# Altium PCB HGT-300.PcbDoc (part 2 of 3)
Units mil, origin at the board's own origin, x right, y up, seen from the top; angles counter-clockwise.
Board outline 10039.37 x 5590.55 mil, 2 copper layers (Top Layer, Bottom Layer); 434 components, 232 nets, 1287 pads, 266 vias.
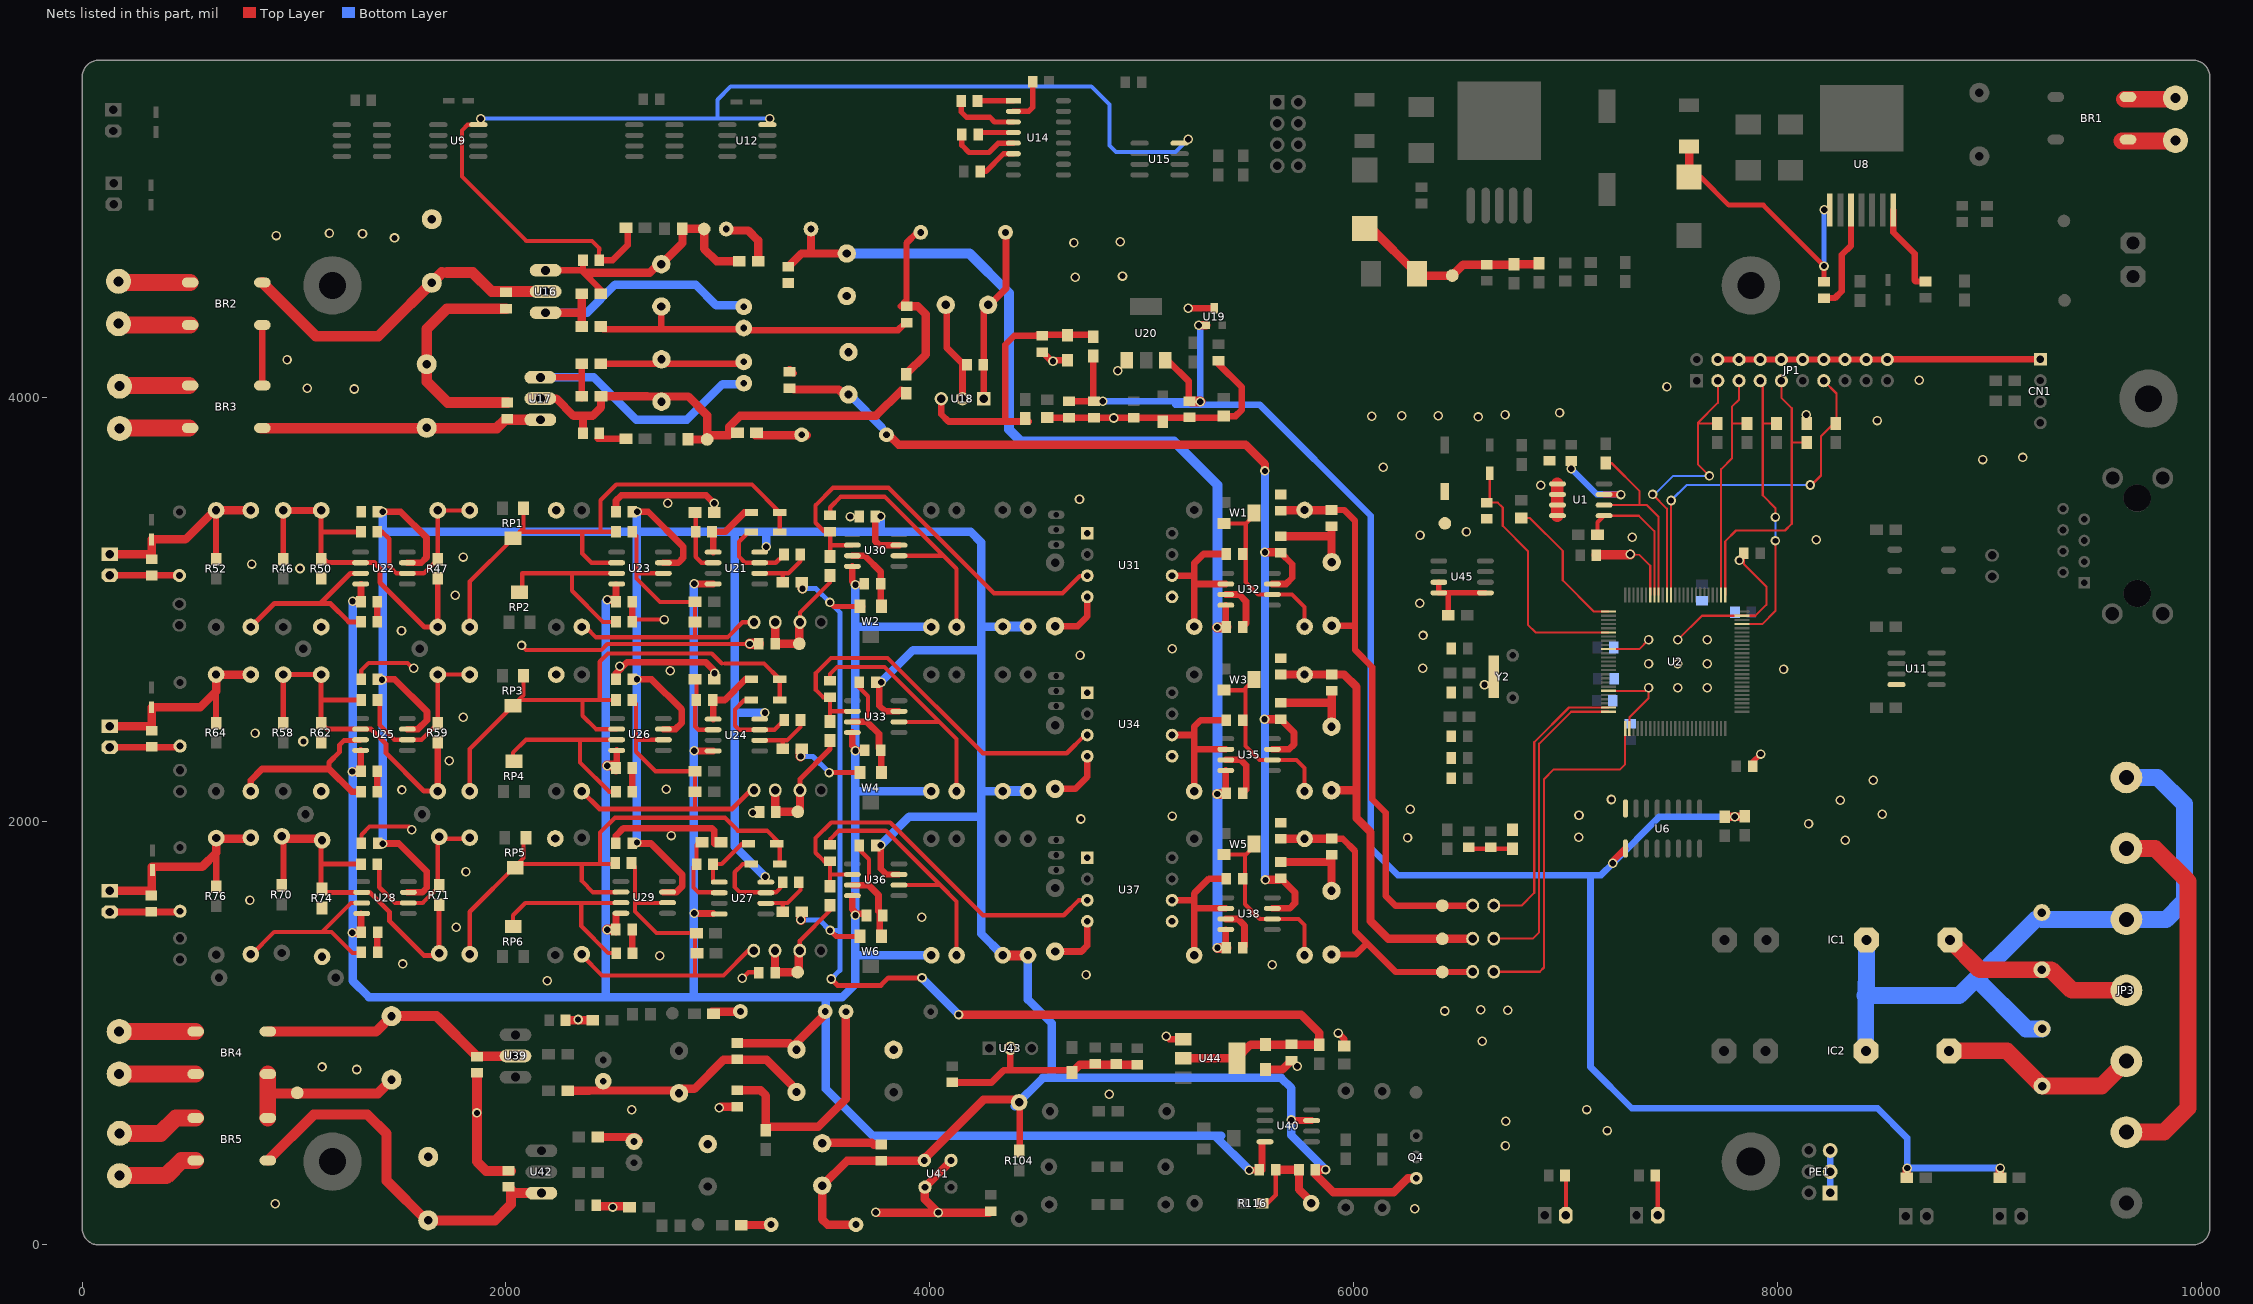
[diagram p2: the nets of this part, all layers, seen from the top]

## Via types
v1: diameter 45, hole 30, Top Layer to Bottom Layer, 224 vias
v2: diameter 45, hole 28, Top Layer to Bottom Layer, 35 vias
v3: diameter 50, hole 28, Top Layer to Bottom Layer, 6 vias
v4: diameter 50, hole 30, Top Layer to Bottom Layer, 1 vias

## Nets (pads, with @x,y where several pads share a name; then routed paths per layer and width w, separated by ;. In a path a pad name is that pad's centre, name@x,y a point inside that pad or via, vN(x,y) a via of type N, cw(c..) or ccw(c..) an arc to the next point about the centre after c; other vN are vias at no path point) (continued)
5V: C73.1 C74.1 C75.1 R17.1 R18.1 R19.1 R20.1 R42.2 U6.9 U19.1 U20.3 | length 9439.6
  Top Layer w30: v1(7223,1801) 7223,1811.51 U6.9@7282,1870.51
  Top Layer w31.5: C74.1@4656.48,3980.74 C75.1@4774.5,3980.74 ; C75.1@4771,3984.24 R42.2@4771,4195 ; U20.3@5111.1,4174.74 5121.26,4174.74 5222,4074 C73.1@5222,3990
  Top Layer w39.37: v1(5268,4340) U19.1@5304,4340 ; R17.1@7750,2021 v1(7798,2021) R18.1@7843,2021
  Top Layer w40: R20.1@8609.03,318.16 v1@8609.03,361.03 ; R19.1@9049,318.16 v1@9049,362
  Top Layer w47.24: C73.1@5233,3979 v1(5276,3979)
  Bottom Layer w31.5: v1(4815,3981) 5199,3981 ; 5159,3965 5556,3965 6080,3441 6080,1873 6208,1745 7167,1745 v1(7223,1801) 7443,2021 v1(7798,2021) ; 5200,3980 5199,3981 ; v1@5274,3981 5199,3981 ; v1(5276,3979) v1@5276,4334 ; 7117,1741 7117,840 7312,645 8471,645 8611,505 v1(8611,363) v1(9050,363)
+3.3V: C155.1 C156.1 R56.2 R68.2 R80.2 R119.1 U44.2 U44.4 W2.3 W4.3 W6.3 | length 6103.2
  Top Layer w23.62: v2(3524.94,2229.06) W4.3@3671,2229.06 ; v2(3528,3032) 3546.94,3013.06 W2.3@3671,3013.06 W2.3@3684,3013.06 ; v2(3529,1484) 3556.94,1456.06 W6.3@3671,1456.06 ; v1(3534,1255) 3565,1224 3566.31,1225.31 3768.31,1225.31 3803.81,1260.81 v2(3962.98,1260.81)
  Top Layer w39.37: v2(4136,1087) 5751,1087 5838,1000 R119.1@5838,945 5513.43,945 U44.4@5449.54,881.12 ; U44.2@5196,880.45 U44.4@5448.88,880.45
  Top Layer w47.24: v1(3390,2305) R68.2@3390,2336 ; v1(3391,1534) 3391,1567 R80.2@3396,1572 ; R56.2@3396,3127 3399,3124 v1(3399,3097)
  Bottom Layer w23.62: v1(3390,2305) 3449,2305 v2(3524.94,2229.06) 3572.94,2229.06 ; v1(3391,1534) 3479,1534 v2(3529,1484) 3572,1484 ; v1(3399,3097) 3463,3097 v2(3528,3032) 3575,2985 3575,1296 v1(3534,1255)
  Bottom Layer w39.37: v2@3970.5,1252.5 v2(4136,1087)
A_+12V: C80.2 C81.2 C91.2 C92.2 C102.2 C103.2 C112.1 C121.1 C130.1 C138.1 C151.1 C152.1 L8.2 Q4.C R83.2 R84.2 R90.2 R91.2 R97.2 R98.2 R104.2 U21.8 U22.7 U23.7 U24.8 U25.7 U26.7 U27.8 U28.7 U29.7 U30.7 U33.7 U36.7 U40.7 U41.3 | length 19777.7
  Top Layer w20: U41.3@3959,397 U41.3@3976,414
  Top Layer w30: v1(3768,1886) 3768,1775 3794.87,1748.13 U36.7@3854.24,1748.13 ; v1(3770,2656) 3762,2648 3762,2545 3788.87,2518.13 U33.7@3854.24,2518.13 ; R104.2@4424,454 R104.2@4424,688.77
  Top Layer w31.5: C91.2@1393.51,2669 1475,2669 1627,2517 1627,2476 1584.87,2433.87 U25.7@1534.24,2433.87 ; C80.2@1393.51,3460 v1(1419,3460) 1503,3460 1625,3338 1625,3244 1600.13,3219.13 U22.7@1534.24,3219.13 ; C102.2@1395,1894 v1(1418,1894) 1494,1894 1626,1762 1626,1685 1604.87,1663.87 U28.7@1534.24,1663.87 ; C103.2@2596,1894 2684,1894 2832,1746 2832,1694 2801.87,1663.87 U29.7@2742.24,1663.87 ; C92.2@2596,2669 v1(2618,2669) 2687,2669 2830,2526 2830,2464 2799.87,2433.87 U26.7@2742.24,2433.87 ; C81.2@2596,3460 v1(2619,3460) 2671,3460 2836,3295 2836,3242 2813.13,3219.13 U23.7@2742.24,3219.13 ; C112.1@3743,3437 3743,3320 3760.87,3302.13 U30.7@3854.24,3302.13 ; v1@5708.87,587.13 U40.7@5801.24,587.13
  Top Layer w40: L8.2@3651,96 3517,96 3492,121 C151.1@3492,280 3609,397 C152.1@3770,397 U41.3@3959,397 ; U41.3@3973.05,410.6 3976.26,410.86 U41.3@3978,411 ; U41.3@3976,414 U41.3@3978,411 ; R104.2@4424,688.77 4420.62,688.69 4251.6,684.6 U41.3@3978,411 ; C138.1@5819,355 5819,333 5904,248 6188,248 6256,316 Q4.C@6295,316 ; C138.1@5820,356 v1(5867,356)
  Top Layer w47.24: R97.2@4344,1367 R98.2@4463,1367
  Bottom Layer w40: v1@1419,1895 v1(1419,3460) ; 1420,3366 2618,3366 ; v2(2618,1899) v1(2618,2669) 2618,3366 ; v1@2618,3459 2618,3366 ; 3085,2512 v1(3222,2512) ; v1(3223,1737) 3080,1880 3080,3366 ; v1(3228,3294) 3228,3363 ; v1(3768,1886) 3903,2021 4242,2021 ; 3769,3369 v1(3769,3438) ; v1(3770,2656) 3921,2807 4242,2807 ; 4244.5,2141.5 R90.2@4344,2141.5 ; 4247,2918 R83.2@4344,2918 ; R97.2@4344,1367 4242,1469 4242,2021 ; R104.2@4400.5,655.5 4533.5,788.5 5657.5,788.5 5706,740 v1(5706,590) 5706,517 v1(5867,356) ; R98.2@4463,1367 4463,1158 4575.5,1045.5 4575.5,800 ; 2618,3366 3080,3366 ; 3080,3366 4192,3366 4242,3316 4242,2807 ; 4242,2021 4242,2807
  Bottom Layer w47.24: R90.2@4344,2141.5 R91.2@4463,2141.5 ; R83.2@4344,2918 R84.2@4463,2918
  other v1: 1415,2667
A_-12V: C84.2 C85.2 C95.2 C96.2 C107.2 C108.2 C116.1 C125.1 C134.1 C145.1 C153.2 C154.2 L9.2 R88.2 R95.2 R102.2 U21.4 U22.4 U23.4 U24.4 U25.4 U26.4 U27.4 U28.4 U29.4 U30.4 U33.4 U36.4 U40.4 | length 15665.6
  Top Layer w20: 3340,953 C154.2@3371,922
  Top Layer w30: U30.4@3634.24,3202.13 3634.24,3130.76 v1(3649,3116) 3690,3116 C116.1@3692,3118 ; v1(5507,353) C145.1@5567,353
  Top Layer w31.5: U25.4@1314.24,2333.87 1314.24,2237.76 C95.2@1316,2236 ; C107.2@1316,1477 U28.4@1316,1562.11 ; C84.2@1316,3035 U22.4@1316,3117.37 ; C108.2@2519,1477 U29.4@2519,1560.63 ; C85.2@2519,3035 U23.4@2519,3115.89 ; C96.2@2519.25,2236 2522.24,2238.99 U26.4@2522.24,2333.87 ; v1@2888.87,2331.13 U24.4@2977.24,2331.13 ; v1@2888.87,3119.13 U21.4@2977.24,3119.13 ; v1@2890.13,1563.87 U27.4@2977.24,1563.87 ; U36.4@3634.24,1648.13 3634.24,1583.76 3655,1563 C134.1@3692,1563 ; U33.4@3634.24,2418.13 3634.24,2355.76 3656,2334 C125.1@3692,2334 ; C145.1@5567,353 5567,472.89
  Top Layer w40: v1(1274,2234) C95.2@1310.48,2234 ; v1(1275,1474) C107.2@1313,1474 ; v1(1276,3037) C84.2@1314,3037 ; v1(2477,3044) C85.2@2510,3044 ; C153.2@3091,953 3340,953 ; C154.2@3363.12,947 L9.2@3505,1088.88
  Top Layer w47.24: v1(2477,1488) C108.2@2508,1488 ; v1(2477,2262) C96.2@2508,2262
  Bottom Layer w40: v1@1277,3038 v1(1276,3037) 1276,1247 1353,1170 2471,1170 ; v1@2471,3038 2471,1170 ; v1@2887,3119 2887,1170 ; 3508,736 3508,1170 ; 3515,731 3731,515 ; v1(3649,3116) v1(3649,2332) v1(3649,1555) 3649,1232 3587,1170 3508,1170 ; 3650.5,2141.5 R95.2@4007,2141.5 ; 3653,1367 R102.2@4007,1367 ; 3654,2916 R88.2@4007,2916 ; 3732,514 3731,515 ; 5348,512 v1(5507,353) ; 5374,515 3731,515 ; 2471,1170 2887,1170 ; 2887,1170 3508,1170
  other v1: 2888,1566 2888,2332 2888,3120
ADC1: J12.1 U2.24 | length 1343.8
  Top Layer w10: J12.1@6661,1602 6792,1602 6852,1662 6852,2372 7016,2536 U2.24@7202,2536
ADC2: J14.1 U2.25 | length 1505.9
  Top Layer w10: J14.1@6661,1445.5 6845.5,1445.5 6875,1475 6875,2365 7026.31,2516.31 U2.25@7202,2516.31
ADC3: J16.1 U2.26 | length 1715.7
  Top Layer w10: J16.1@6661,1289 6878,1289 6898,1309 6898,2198 6944,2244 7257,2244 7280.74,2267.74 U2.26@7280.74,2437.57
ADC+12V_1: C159.2 L10.1 R117.1 | length 1161.2
  Top Layer w20: R117.1@3226,541 R117.1@3242,557
  Top Layer w40: C159.2@3091,730 3201,730 3226,705 R117.1@3226,541 ; R117.1@3242,557 3473,557 3604,688 L10.1@3604,1101
ADC+12V_2: L8.1 R118.1 | length 141.3
  Top Layer w20: L8.1@3249,94 L8.1@3251,96
  Top Layer w39.37: R118.1@3110.56,94 L8.1@3249,94
ADC_-12.0V: L9.1 R103.1 | length 135
  Top Layer w39.37: R103.1@2972,1099.86 L9.1@3106.98,1099.86
AGND: BR4.+ BR5.- C80.1 C81.1 C82.1 C83.1 C84.1 C85.1 C86.1 C91.1 C92.1 C93.1 C94.1 C95.1 C96.1 C97.1 C102.1 C103.1 C105.1 C106.1 C107.1 C108.1 C109.1 C112.2 C115.2 C116.2 C121.2 C124.2 C125.2 C130.2 C133.2 C134.2 C138.2 C139.1 C140.1 C141.1 C142.1 C143.1 C144.2 C145.2 C146.2 C147.2 C148.2 C149.2 C150.2 C151.2 C152.2 C153.1 C154.1 C155.2 C156.2 C157.2 C158.2 C159.1 C160.2 C161.2 C162.2 C163.2 D10.A D11.A D12.A H5.2 H6.2 H7.2 LED9.2 P14.1 R49.1 R50.1 R57.1 R61.1 R62.1 R69.1 R73.1 R74.1 R109.1 R110.2 R112.2 R113.1 R116.1 R811.2 U30.3 U31.1 U31.4 U33.3 U34.1 U34.4 U36.3 U37.1 U37.4 U41.2 U41.4 U43.2 U44.1 W2.1 W4.1 W6.1 Y3.2 Y4.2 Y5.2 | length 13528.4
  Top Layer w20: 876.28,725 886.28,715 ; C91.1@1316.51,2669 1316.51,2710.51 1352,2746 1535,2746 1560,2721 v1(1564.75,2721) ; C102.1@1318,1894 1318,1936 1356,1974 1542,1974 v1(1556,1960) ; v2(2074,2829) 2095,2808 2450,2808 2478,2836 v1(3150,2836) ; C86.1@2596,2940 2607,2951 v1(2747,2951) ; v1(3006,648) v1@3011,653 ; v1(3115,1258) 3144,1287 C133.2@3192,1287 ; C130.2@3667,1885 3667,1866 3713,1820 3713,1719 ; C121.2@3667,2655 3667,2630 3708.15,2588.85 3708.15,2472.41 3703.87,2468.13 ; v1(3745,154.77) v1@3746.77,153 ; U41.2@4100,396 U41.2@4100,399 ; C144.2@4281,153 C144.2@4288,160 ; R116.1@5569,197 5593,197 5632,236 C145.2@5632,355
  Top Layer w30: v1(5115,985) 5129,971 U44.1@5196,971 ; v1(5927.79,999.99) 5956,971.78 LED9.2@5956,939.4
  Top Layer w31.5: H7.2@131,1571 Y5.2@458,1571 ; H6.2@131,2348 Y4.2@456,2348 ; H5.2@131,3160 Y3.2@458,3160 ; C106.1@1393,1378 C107.1@1393,1477 ; C94.1@1393,2139 C95.1@1393,2236 ; C83.1@1393,2940 C84.1@1393,3035 ; C103.1@2519,1894 2519,1931 2555,1967 2971,1967 2982,1956 2982,1894.48 ; C92.1@2519,2669 2519,2697 2572,2750 2942,2750 2982,2710 R61.1@2982,2669.48 ; C81.1@2519,3460 2519,3512 2544,3537 2945,3537 v1(2982,3500) R49.1@2982,3456.12 ; C109.1@2596,1378 C108.1@2596,1477 ; C97.1@2596,2139 C96.1@2596,2236 ; C86.1@2596,2940 C85.1@2596,3035 ; U36.3@3634.24,1698.13 3710.87,1698.13 3758,1651 C134.2@3758,1574 ; U33.3@3634.24,2468.13 3703.87,2468.13 3760,2412 3760,2343 C125.2@3769,2334 ; U30.3@3634.24,3252.13 3692.87,3252.13 3769,3176 W2.1@3769,3028.06 ; W6.1@3763,1455 C134.2@3763,1559.94 ; W4.1@3771,2229.06 C125.2@3771,2332 ; C160.2@4106,767 4291,767 4348,824 4661,824 C158.2@4671,814 ; 4380,831 U43.2@4380,928.01 ; D12.A@4591,1384.74 4714.74,1384.74 4742.94,1412.94 U37.4@4742.94,1527.04 ; D11.A@4591,2152 4686,2152 4742.94,2208.94 U34.4@4742.94,2306.04 ; D10.A@4591,2919.74 4696.74,2919.74 4742.94,2965.94 U31.4@4742.94,3058.04
  Top Layer w39.37: C142.1@2281.52,1059.86 R110.2@2410,1059.86 ; R109.1@2290.86,728 2392,728 2393,729 2835,729 2835,737 2889,737 3026,874 3230,874 3346,758 ; C150.2@2429.83,182.26 2552.05,182.26 ; R112.2@2432.91,509.74 2610.26,509.74 C148.2@2627,493 ; C151.2@3487,490 3495,482 3726,482 3736,472 ; C158.2@4671,814 4708,851 C163.2@4978,851 ; C156.2@5583,828 5664,828 C155.2@5706,870 ; C145.2@5644,355 C138.2@5742,355 5742,262 R116.1@5813,191
  Top Layer w40: v1@3011,653 C159.1@3091,653 ; v1@3746.77,153 v1(4039,153) ; U41.2@4100,396 U41.4@3977,273 3977,215 v1(4039,153) ; C144.2@4281,153 v1(4039,153)
  Top Layer w47.24: 886.28,715 1395,715 C139.1@1460,780 ; C140.1@1863,812 v1(1863,623) 1863,393 1906,350 C147.2@2024,350
  Top Layer w50: v1(3150,2836) 3151,2837 C115.2@3193,2837
  Top Layer w78.74: BR5.-@876.28,599.4 876.28,725 BR4.+@876.28,806.62
  other v1: 6288,171 2503,179 911,194 2594,638 4847,711 1296,828 1132,840 5733,843 2340,1064 2195,1247 4737,1275 1513,1326 2726.05,1365 1766,1500 3962,1547 792,1627 1811,1761 2780,1932 4713,2010 3165,2039 1509,2147 2756,2151 1733,2284 816,2414 1799,2490 2984,2698 2775,2710.29 2536.98,2731.56 4708.74,2782 1507,2898 1760,3065 1028,3192 800,3213 1798,3246 3624,3437 2763,3500 4706,3518
  other v3: 1044,2376.54
BAT: C10.1 D1.K U2.6 | length 1215.7
  Top Layer w10: C10.1@6628,3503 6680,3503 6703,3480 6703,3393 6821.5,3274.5 6821.5,2926.5 6857.67,2890.33 U2.6@7202,2890.33 ; C10.1@6642,3508 D1.K@6642,3641.14
CH1_+12.0V: C70.2 L7.1 R40.1 | length 824.8
  Top Layer w20: L7.1@3940,4778 L7.1@3957,4778
  Top Layer w30: 3862,4428.74 3890,4456.74 3890,4728 L7.1@3940,4778
  Top Layer w39.37: R40.1@3888,4109 3981,4202 3981,4391 3943,4429 C70.2@3891,4429
CH2_+12.0V: L5.1 R41.1 | length 244
  Top Layer w39.37: R41.1@3176,3821.22 L5.1@3419.98,3821.22
CH_-12.0V: L6.1 R33.1 | length 271.4
  Top Layer w20: L6.1@3039,4794 L6.1@3046,4787
  Top Layer w39.37: L6.1@3046,4787 3143,4787 3190,4740 R33.1@3190,4642
EEP-SCL: R5.1 U1.6 U2.92 | length 929.6
  Top Layer w10: U1.6@7181.24,3491.13 7347,3491.13 ; R5.1@7190,3690 7216,3690 7349,3557 7349,3493.13 7347,3491.13 ; U2.92@7438.22,3067.49 7438.22,3436.78 7383.87,3491.13 7347,3491.13
EEP-SDA: R6.1 U1.5 U2.93 | length 670.9
  Top Layer w10: U1.5@7181.24,3441.13 7344.87,3441.13 7418.54,3367.46 U2.93@7418.54,3067.49
  Top Layer w20: R6.1@7150,3351 7150,3409.89 U1.5@7181.24,3441.13
GND: BR2.+ BR3.- C1.1 C2.2 C3.2 C4.2 C5.2 C6.2 C7.2 C8.2 C10.2 C12.2 C13.2 C15.1 C16.1 C17.1 C18.1 C29.2 C30.2 C31.1 C32.1 C52.2 C53.2 C54.1 C55.1 C56.1 C57.1 C58.1 C59.1 C60.1 C61.2 C62.2 C63.2 C64.2 C65.2 C66.2 C67.2 C68.2 C69.2 C70.1 C71.2 C72.2 C73.2 C74.2 C75.2 C76.2 C114.1 C117.2 C118.2 C119.2 C123.1 C126.2 C127.2 C128.2 C132.1 C135.2 C136.2 C137.2 CN1.1 DW1.A DW2.A DW3.A H1.2 H2.2 JP1.4 JP1.6 JP1.8 JP1.10 JP1.12 JP1.14 JP1.16 JP1.18 JP1.20 L2.1 LED5.2 LED6.2 MCU_GND1.1 PE1.1 PE1.2 PE1.3 R7.2 R35.1 R36.2 R37.2 R38.1 R120.1 U1.1 U1.2 U1.3 U1.4 U2.10 U2.20 U2.27 U2.74 U2.94 U6.8 U9.4 U11.4 U12.4 U15.4 U18.2 U19.3 U20.1 U31.5 U32.3 U34.5 U35.3 U37.5 U38.3 U45.3 U45.4 U45.5 Y2.0 | length 17500.2
  Top Layer w10: U2.20@7202,2614.74 7376.74,2614.74 v1(7391,2629) 7391,2579.26 7300.43,2488.69 U2.27@7300.43,2437.57 ; U2.10@7202,2811.59 7347.59,2811.59 v1(7391,2855) ; v1(7305,3259) 7349,3255 7398.85,3205.15 U2.94@7398.85,3067.49 ; v1(7529.5,2855) 7643.57,2969.07 U2.74@7831.92,2969.07 7895.07,2969.07 7947,3021 7947,3107 7841,3213 C31.1@7841,3264
  Top Layer w20: U9.4@1869.49,5285.99 1818.99,5285.99 1792,5259 1792,5041 2096,4737 2406,4737 2440.53,4702.47 C57.1@2436.68,4647.01 ; R35.1@2447,4333.74 R35.1@2460,4320.74 ; R36.2@2565,4798 R36.2@2574,4789 ; C64.2@2733,4180 C64.2@2734,4179 ; C59.1@3332,4539 C59.1@3338,4533 ; C52.2@3605,4214 C52.2@3608,4217 ; C60.1@3608,4478 C60.1@3616,4470 ; H1.2@7001,140.74 C29.2@7001,323.74 ; H2.2@7434.33,140.74 C30.2@7434.33,316.24
  Top Layer w25: U45.3@6401.24,3127.13 U45.4@6401.24,3077.13 6446,3077.13 ; R120.1@6446,2971 6446,3077.13 ; U45.5@6621.24,3077.13 6446,3077.13 ; C32.1@7882,2259 7882,2278.07 v1(7920.49,2316.56)
  Top Layer w30: BR3.-@850.28,4055.4 BR2.+@850.28,4340.62 ; JP1.4@7718,4178 JP1.6@7818,4178 JP1.8@7918,4178 JP1.10@8018,4178 JP1.12@8118,4178 JP1.14@8218,4178 JP1.16@8318,4178 JP1.18@8418,4178 JP1.20@8518,4178 ; JP1.20@8519,4179 CN1.1@9240,4179
  Top Layer w31.5: C65.2@2433.53,3804.74 R38.1@2566.05,3804.74 R38.1@2568,3804.74 ; C57.1@2436.68,4647.01 2504.01,4647.01 2574,4717 R36.2@2574,4789 ; R37.2@2447.05,4158.74 C63.2@3124,4158.74 ; R35.1@2460,4320.74 2586,4320.74 2733,4320.74 ; C56.1@2733,4428 2733,4320.74 ; C53.2@3338,4132.74 C53.2@3357,4113.74 ; C70.1@3880,4347 3849.74,4316.74 3122,4316.74 3121,4320.74 2733,4320.74 ; C68.2@4075,4436 4079,4440 C68.2@4079,4425 ; C68.2@4080,4426 C68.2@4079,4425 ; U18.2@4154,3992.99 C71.2@4154,4157 ; C71.2@4154,4158 4154,4159 4079,4234 C68.2@4079,4425 ; C72.2@4531,4213 4569,4175 C69.2@4650,4175 ; LED5.2@4554.09,3903.74 C74.2@4656.48,3903.74 C75.2@4774.5,3903.74 C66.2@4962,3903.74 LED6.2@5380.43,3903.74 ; v1(5219,4420) U19.3@5342,4420 ; C76.2@5362,4173.01 5362,4157 5472,4047 5472,3941 5441.81,3910.81 LED6.2@5387.5,3910.81 ; U38.3@5396.24,1538.13 5453.87,1538.13 5485,1507 5485,1411 C137.2@5476,1402 ; U35.3@5396.24,2288.87 5467.13,2288.87 5493,2263 5493,2148.23 C128.2@5475.51,2130.74 ; U32.3@5396.24,3068.87 5460.13,3068.87 5492,3037 5492,2932.23 C119.2@5475.51,2915.74
  Top Layer w39.37: C123.1@5655.27,2558 5889,2558 ; C114.1@5655.27,3344 5889,3344 ; C132.1@5656,1807 5890,1807 ; DW3.A@5895,1670.94 C136.2@5895,1840 ; DW1.A@5895,3222.94 C117.2@5895,3391 ; DW2.A@5896,2446.44 C127.2@5896,2615
  Top Layer w47.24: C6.2@7145,3255 v1(7305,3259)
  Top Layer w50: C55.1@2000,4417.74 1721.74,4417.74 1626,4322 C61.2@1626,4156 1626,4074 1725,3975 C62.2@2005.36,3975
  Top Layer w59.06: U1.4@6961.24,3441.13 U1.3@6961.24,3491.13 U1.2@6961.24,3541.13 U1.1@6961.24,3591.13
  Bottom Layer w20: v1@1882,5315 2998,5315 ; v1(3245,5315) 2998,5315 ; v1(5220,5218) 5159,5157 4878,5157 4847,5188 4847,5381 4762,5466 3060,5466 2998,5404 2998,5315
  Bottom Layer w30: PE1.1@8248,246 PE1.2@8248,346 PE1.3@8248,446
  other v1: 6716,469 7196,540 6718,584 7099,639 6607,961 6430,1104 6727,1108 6599,1110 5615,1323 8320,1910 6254,1922 7061,1924 8146,1987 5144,2024 7063,2027 8493,2033 6266,2056 8296,2098.33 7216,2102 8451,2192 7529.5,2629 7668,2629 6617,2643 8028,2716 6325,2721 7391,2742 7529.5,2742 7668,2742 5144,2814 7668,2855 6327,2876 6312,3028 7820,3230 8182.84,3327 7315,3339 6313,3349 6532,3365.63 6882,3585 6140,3669 8968,3706 9156,3716 8470,3890 4868,3902 6588,3907 6085,3911 6226,3913 6399,3913 6714,3917 8136,3917 6971,3927 1284,4039 1063,4043 7478,4049 8669,4081 4886,4125 4581,4170 967,4177 4685.98,4567 4909,4572 4680,4729 4899,4734 1474,4751.57 916,4763 1323,4771 1167,4774 1881,5314
JTCK: JP1.9 R7.1 U2.76 | length 1365.1
  Top Layer w10: U2.76@7753.18,3067.49 7753.18,3320.18 7804,3371 8035,3371 8067,3403 8067,3948 8018,3997 JP1.9@8018,4078 ; 8069.05,3786.05 R7.1@8138,3786.05
JTDI: JP1.5 R3.1 U2.77 | length 1115
  Top Layer w10: U2.77@7733.5,3067.49 7733.5,3660.5 7784,3711 7784,3955 7818,3989 JP1.5@7818,4078 ; 7786,3876 R3.1@7855.5,3876
JTDO: JP1.13 R1.1 U2.89 | length 1704
  Top Layer w10: U2.89@7497.28,3067.49 v2(7497.28,3512.72) ; v2(8154,3586) 8160,3586 8205,3631 8205,3816 8278,3889 8278,4018 JP1.13@8218,4078
  Bottom Layer w10: v2(7497.28,3512.72) 7570.55,3586 v2(8154,3586)
JTMS: JP1.7 R2.1 U2.72 | length 1400.7
  Top Layer w10: U2.72@7831.92,2929.7 7927.7,2929.7 7990,2992 ; JP1.7@7918,4078 7930,4066 7930,3537 7990,3477 v2(7990,3434) ; 7933,3876 R2.1@7995,3876 ; 7990,3031 7990,2992 ; v2(7990,3323) 7990,2992
  Bottom Layer w10: v2(7990,3323) v2(7990,3434)
JTRST: JP1.3 R4.1 U2.90 | length 1409.9
  Top Layer w10: v2(7410,3542) 7477.59,3474.41 U2.90@7477.59,3067.49 ; v2@7677.18,3629 v2(7678,3629) 7625,3682 7625,3881 ; R4.1@7716,3876 7630,3876 7625,3881 ; JP1.3@7718,4078 7718,3974 7625,3881
  Bottom Layer w10: v2(7410,3542) 7421,3542 7508,3629 v2(7678,3629)
L1_220V: IC2.1 JP3.3 RV2.2 | length 953.6
  Top Layer w78.74: IC2.1@8809.72,915.78 9082.22,915.78 RV2.2@9248,750 9528.65,750 JP3.3@9646,867.35
L2_220V: IC1.1 JP3.4 RV1.2 | length 931.8
  Top Layer w80: IC1.1@8812.72,1439.78 8953.76,1298.74 RV1.2@9247,1298.74 9291.26,1298.74 9388,1202 JP3.4@9646,1202
L_INPUT: IC1.2 IC2.2 JP3.5 JP3.7 RV1.1 RV2.1 | length 3442
  Bottom Layer w80: 8413,1177 8416.02,1177 ; IC2.2@8419.02,918.78 IC2.2@8416.02,915.78 8416.02,1177 ; IC1.2@8419.02,1439.78 8419.02,1239 ; 8938,1255 9173,1020 RV2.1@9248,1020 ; 9216.65,1536.65 8857,1177 8419.02,1177 ; RV1.1@9247,1536.65 JP3.5@9646,1536.65 9833.65,1536.65 9919,1622 9919,2080 9793.06,2205.94 JP3.7@9646,2205.94 ; 8416.02,1177 8419.02,1177 ; 8416.02,1177 8416.02,1236 8419.02,1239 ; 8419.02,1177 8419.02,1239
MCU_+12.0V: C52.1 C53.1 C114.2 C123.2 C132.2 L5.2 U32.7 U35.7 U38.7 | length 5289.4
  Top Layer w31.5: U38.7@5616.24,1588.13 5698.13,1588.13 5723,1613 5723,1663 C132.2@5656,1730 ; U35.7@5616.24,2338.87 5694.87,2338.87 5718,2362 5718,2418.27 C123.2@5655.27,2481 ; U32.7@5616.24,3118.87 5680.87,3118.87 5710,3148 5710,3212.27 C114.2@5655.27,3267
  Top Layer w39.37: C53.1@3357,4036.74 3570,4036.74 C52.1@3604,4002.74 ; L5.2@3805,3834 3805,3823 3852,3776 5489,3776 5581,3684 v2(5581,3653) ; v1(5579,2480) C123.2@5654.27,2480 ; v1(5581,3268) C114.2@5654.27,3268 ; v2(5583,1723) 5649,1723 C132.2@5656,1730
  Bottom Layer w39.37: C52.1@3604,4002.74 3629.26,4002.74 3774.5,3857.5 ; v2(5581,3653) v1(5581,3268) 5581,1723 v2(5583,1723)
MCU_-12.0V: C59.2 C60.2 C119.1 C128.1 C137.1 L6.2 U32.4 U35.4 U38.4 | length 5609.6
  Top Layer w20: 3437,4678 3439,4680
  Top Layer w31.5: C137.1@5396.24,1404.76 U38.4@5396.24,1488.13 ; C128.1@5396.24,2133.01 U35.4@5396.24,2238.87 ; C119.1@5396.24,2914.53 U32.4@5396.24,3018.87
  Top Layer w39.37: C59.2@3332,4616 3394,4678 3437,4678 C60.2@3608,4678 ; 3439,4680 L6.2@3439,4794
  Top Layer w47.24: v1(5356,2128) 5391.22,2128 C128.1@5396.24,2133.01 ; v1(5356,2914) 5396.77,2914 C119.1@5398.51,2915.74 ; v1(5357,1402) C137.1@5399,1402
  Bottom Layer w47.24: C60.2@3601,4679 4186,4679 4373,4492 4373,3848 4430,3791 5152,3791 5357,3586 v1(5357,1402)
MCU_LED: MCU_LED1.2 U2.1 | length 675
  Top Layer w10: MCU_LED1.2@6791,3429.6 6831.4,3429.6 6986,3275 6986,3136 7133.25,2988.75 U2.1@7202,2988.75
N_INPUT: JP3.2 JP3.6 | length 1761.3
  Top Layer w80: JP3.2@9646,532.71 9822.71,532.71 9936,646 9936,1716 9780.71,1871.29 JP3.6@9646,1871.29
NetAC1_1: AC1.1 BR1.AC1 | length 244.3
  Top Layer w78.74: BR1.AC1@9623.68,5209 AC1.1@9868,5209
NetAC1_2: AC1.2 BR1.AC2 | length 230.9
  Top Layer w20: BR1.AC2@9624.27,5418.38 BR1.AC2@9636.66,5406
  Top Layer w78.74: BR1.AC2@9636.66,5406 AC1.2@9850,5406
NetAC2_1: AC2.1 BR2.AC1 | length 332.1
  Top Layer w80: AC2.1@177.6,4541.4 BR2.AC1@509.72,4541.4
NetAC2_2: AC2.2 BR2.AC2 | length 331.3
  Top Layer w80: AC2.2@178.38,4340.62 BR2.AC2@509.72,4340.62
NetAC3_1: AC3.1 BR3.AC1 | length 323.3
  Top Layer w80: AC3.1@180.4,4055.4 BR3.AC1@503.72,4055.4
NetAC3_2: AC3.2 BR3.AC2 | length 324.1
  Top Layer w80: AC3.2@179.62,3854.62 BR3.AC2@503.72,3854.62
NetAC4_1: AC4.1 BR4.AC1 | length 338.3
  Top Layer w80: AC4.1@197.4,1007.4 BR4.AC1@535.72,1007.4
NetAC4_2: AC4.2 BR4.AC2 | length 339.1
  Top Layer w80: AC4.2@196.62,806.62 BR4.AC2@535.72,806.62
NetAC5_1: AC5.1 BR5.AC1 | length 388.7
  Top Layer w80: AC5.1@177,527 370,527 442.4,599.4 BR5.AC1@535.72,599.4
NetAC5_2: AC5.2 BR5.AC2 | length 388.4
  Top Layer w80: AC5.2@177,327 397,327 468.62,398.62 BR5.AC2@535.72,398.62
NetBR2_-: BR2.- C54.2 C55.2 U16.2 | length 1579.3
  Top Layer w50: BR2.-@850.28,4541.4 1103.68,4288 1397,4288 1697.74,4588.74 ; 1721.99,4588.74 1842.26,4588.74 1932.26,4498.74 U16.2@2186.99,4498.74
NetBR3_+: BR3.+ C61.1 C62.1 U17.3 | length 1333.9
  Top Layer w50: BR3.+@844.28,3854.62 BR3.+@850.28,3854.62 1956.88,3854.62 1996,3893.74 U17.3@2162.01,3893.74
NetBR4_-: BR4.- C139.2 C140.2 U39.2 | length 1270
  Top Layer w47.24: BR4.-@876.28,1007.4 1387.4,1007.4 C139.2@1460,1080 1673,1080 ; 1678.5,1074.5 1861,892 1863.05,891.97 2042.25,889 U39.2@2044.99,891.74
NetBR5_+: BR5.+ C146.1 C147.1 U42.3 | length 1840.8
  Top Layer w20: C147.1@2012,274 2024,262 2041.26,244.74
  Top Layer w47.24: BR5.+@876.28,398.62 1092.66,615 1347,615 1437,525 1437,303 C146.1@1629,111 ; C146.1@1633,116 1948,116 2024,192 C147.1@2024,262 ; 2041.26,244.74 U42.3@2166.99,244.74
NetC9_2: C9.2 U1.7 | length 399.9
  Top Layer w30: v1@7027,3664 C9.2@7027,3699 ; U1.7@7181.24,3541.13 v1@7261,3541.13
  Bottom Layer w30: v1(7026,3663) 7147,3542 v1@7261,3542
  other v1: 7261,3541
NetC19_1: C19.1 C20.1 L2.2 | length 209.7
  Top Layer w20: C20.1@6542,1876 6548.53,1869.47 L2.2@6749,1869.47
NetC35_1: C35.1 U8.3 | length 498.8
  Top Layer w30: C35.1@8219,4468 8271,4468 8303,4500 8303,4672 8346,4715 U8.3@8346,4883.74
NetC35_2: C35.2 D3.2 L4.1 U8.1 | length 1289.8
  Top Layer w23.62: L4.1@7582,5039.8 7636.2,5039.8 7770,4906 7933,4906 v1@8216,4623 ; C35.2@8219,4545 v1(8219,4619)
  Top Layer w40: L4.1@7582,5039.8 D3.2@7582,5182.56
  Bottom Layer w23.62: v1(8219,4619) 8219,4884 v1(8220,4885)
NetC41_1: C41.1 C42.2 L3.2 P3.1 R24.2 R25.1 | length 938.5
  Top Layer w40: L3.2@6052,4797.2 6082.8,4797.2 C41.1@6298,4582 6306,4574 P3.1@6465,4574 6517,4626 C42.2@6628,4626 6754,4626 R24.2@6756,4628 6870,4628 R25.1@6874,4632
NetC44_1: C44.1 U8.7 | length 427.6
  Top Layer w20: 8647,4551 8652,4546
  Top Layer w30: U8.7@8546,4883.74 8546,4778 8647,4677 8647,4551 ; 8652,4546 C44.1@8698,4546
NetC47_2: C47.2 U14.2 | length 219.9
  Top Layer w25: U14.2@4394,5349 4466,5349 4485,5368 C47.2@4485,5489
NetC48_1: C48.1 U14.1 | length 168
  Top Layer w25: C48.1@4226,5399 U14.1@4394,5399
NetC48_2: C48.2 U14.3 | length 317.5
  Top Layer w25: C48.2@4148,5398 4148,5346 4173,5321 4283,5321 4305,5299 U14.3@4394,5299
NetC49_1: C49.1 U14.4 | length 169.7
  Top Layer w25: C49.1@4228,5240 4237,5249 U14.4@4394,5249
NetC49_2: C49.2 U14.5 | length 326.3
  Top Layer w25: C49.2@4151,5240 4151,5189 4185,5155 4279,5155 4323,5199 U14.5@4394,5199
NetC50_1: C50.1 U14.6 | length 191.8
  Top Layer w25: C50.1@4237,5065 4264,5065 4348,5149 U14.6@4394,5149
NetC56_2: C56.2 C57.2 LED3.2 R33.2 R34.1 U16.3 VO1.1 | length 1335.1
  Top Layer w20: 2363.53,4601.27 2376.79,4588 ; LED3.2@2832,4795 LED3.2@2833,4794 ; VO1.1@2934,4795 VO1.1@2935,4794
  Top Layer w30: U16.3@2186.99,4598.74 2356.26,4598.74 2447,4508 R34.1@2447,4488.74 ; 2363.53,4601.27 C57.2@2363.53,4646.74
  Top Layer w39.37: 2376.79,4588 2679,4588 C56.2@2719,4628 ; C56.2@2733,4628 2833,4728 LED3.2@2833,4794 ; LED3.2@2832,4795 VO1.1@2934,4795 ; VO1.1@2935,4794 2935,4700 2993,4642 R33.2@3100,4642
NetC58_2: C58.2 R34.2 R35.2 U16.1 | length 1352.7
  Top Layer w39.37: U16.1@2186.99,4398.74 2351.74,4398.74 ; R35.2@2357,4333.74 R34.2@2357,4488.74
  Bottom Layer w20: C58.2@3115,4433.74 C58.2@3122,4426.74
  Bottom Layer w39.37: U16.1@2186.99,4398.74 2382.74,4398.74 2515,4531 2894.74,4531 2992,4433.74 C58.2@3115,4433.74
NetC63_1: C63.1 R37.1 R39.2 U17.1 | length 1473.1
  Top Layer w30: U17.1@2162.01,4093.74 2357.05,4093.74 ; R39.2@2357.05,3994.95 2357.05,4093.74 ; R37.1@2357.05,4158.74 2357.05,4093.74
  Bottom Layer w20: C63.1@3117.26,4062 C63.1@3122,4066.74
  Bottom Layer w39.37: U17.1@2162.01,4093.74 2414.26,4093.74 2614,3894 2854,3894 3022,4062 C63.1@3117.26,4062
NetC64_1: C64.1 C65.1 LED4.1 R39.1 R40.2 R41.2 U17.2 VO2.1 | length 2213
  Top Layer w20: LED4.1@2859.22,3802.26 LED4.1@2860.48,3801
  Top Layer w39.37: U17.2@2162.01,3993.74 2237.26,3993.74 2319,3912 2408,3912 2448,3952 R39.1@2448,4004 2666.74,4004 ; C65.1@2363.53,3830.74 2363.53,3910.47 ; 2667,4003.74 2860.26,4003.74 2949,3915 2949,3821 3052,3821 3052,3860 3104,3912 3745.79,3912 ; LED4.1@2860.48,3801 VO2.1@2949,3801 ; 3746.79,3913 R40.2@3864,4030.21
NetC68_1: C68.1 C71.1 L7.2 U18.1 | length 825.5
  Top Layer w31.5: U18.1@4254,3992.99 4254,4407.74 4359,4512.74 L7.2@4359,4775
NetC69_1: C69.1 C72.1 R42.1 R44.2 U18.3 | length 1318.6
  Top Layer w31.5: U18.3@4054,3992.99 4054,3920 4088.79,3885.21 4356,3885.21 ; 4356,4244 4356,3885.21 ; 4356,4248 4398,4290 C72.1@4531,4290 ; R44.2@4466.52,3885.21 4356,3885.21 ; C72.1@4507.51,4295.51 R42.1@4775,4295.51
NetC77_1: C77.1 D4.K U21.1 | length 314.9
  Top Layer w31.5: C77.1@2972.14,3365 3033,3365 3125,3457 D4.K@3158.14,3457 ; U21.1@2977.24,3269.13 C77.1@2977.24,3359.9
NetC77_2: C77.2 R49.2 U21.2 | length 299.7
  Top Layer w20: R49.2@2895.14,3452.97 C77.2@2895.14,3365 2895.14,3246.86 2922.87,3219.13 U21.2@2977.24,3219.13
NetC78_1: C78.1 R47.1 R53.2 U22.6 | length 871
  Top Layer w20: C78.1@1408,3350.51 1393.51,3365 1416,3365 1449,3332 1449,3203 1482.87,3169.13 U22.6@1534.24,3169.13 1612.13,3169.13 1678,3235 R47.1@1678,3466 R53.2@1829,3466
NetC78_2: C78.2 R46.1 R47.2 R50.2 U22.2 | length 1770.7
  Top Layer w23.62: R46.1@949,3236 R46.1@949,3466 ; R50.2@1128,3466 1128,3249 1157.87,3219.13 U22.2@1314.24,3219.13 1378.87,3219.13 1405,3193 1405,3126 1615,2916 R47.2@1678,2916 R47.2@1678,3146 ; 1129,3365 C78.2@1316,3365 C78.2@1316.51,3365
  Top Layer w31.5: R46.1@949,3466 R50.2@1128,3466
NetC79_1: C79.1 J7.1 R48.1 R51.2 R55.1 U23.6 | length 1697.7
  Top Layer w20: R48.1@2358,2916 2376,2916 2425,2867 3045,2867 3116.5,2938.5 J7.1@3170,2938.5 ; C79.1@2596,3365 2616,3345 2616,3145 2726.52,3034.48 R51.2@2892,3034.48 R55.1@2892,2939.58 ; 2621,3169.13 U23.6@2742.24,3169.13 ; 2892.05,2869.95 R55.1@2892.05,2939.52
NetC79_2: C79.2 D4.A D5.K R53.1 RP1.1 RP1.2 U23.2 | length 2590.6
  Top Layer w20: R53.1@1829,2916 1829,3130.32 RP1.2@2033,3334.32 RP1.2@2063.68,3365 ; 2083,3367 2083,3384.32 ; RP1.1@2083,3476.06 2083,3384.32 ; 2360,3363 2360,3263 2403.87,3219.13 U23.2@2522.24,3219.13 ; C79.2@2519,3365 2446,3365 ; D5.K@3292,3364.64 D4.A@3292,3457 3161,3588 2520,3588 2446,3514 2446,3365 ; RP1.2@2063.68,3365 2083,3384.32 ; RP1.2@2063.68,3365 2446,3365
NetC82_2: C82.2 H5.1 R52.1 R54.2 TVS16.1 | length 1037.2
  Top Layer w30: R52.1@632,3236 R52.1@632,3466
  Top Layer w40: H5.1@131,3260 320.5,3260 ; C82.2@327.5,3236.5 TVS16.1@327.5,3329 487,3329 624,3466 R52.1@632,3466 R54.2@796,3466
NetC83_2: C83.2 R54.1 U22.3 | length 848.3
  Top Layer w23.62: R54.1@796,2916 907,3027 1171,3027 1258,2940 C83.2@1316,2940 ; 1126,3029 1266.13,3169.13 U22.3@1314.24,3169.13
NetC86_2: C86.2 RP2.2 U23.3 | length 919.2
  Top Layer w20: RP2.2@2049,3074.68 2057.5,3066.18 2077.13,3085.81 2077.13,3169.13 2311,3169.13 ; C86.2@2519,2940 2458,2940 2311,3087 2311,3169.13 ; U23.3@2522.24,3169.13 2311,3169.13
NetC87_1: C87.1 D5.A U21.7 | length 389.2
  Top Layer w20: D5.A@3158,3364.5 3145.5,3364.5 3099,3318 3099,3248.13 3128,3219.13 U21.7@3197.24,3219.13 3273.13,3219.13 C87.1@3312,3258
NetC87_2: C87.2 R56.1 U21.6 | length 281.4
  Top Layer w20: U21.6@3197.24,3169.13 3332.13,3169.13 3389,3226 C87.2@3389,3258 ; R56.1@3306,3127 3306,3161.13
NetC88_1: C88.1 D6.K U24.1 | length 312
  Top Layer w31.5: C88.1@2975.53,2571.74 3032.74,2571.74 3130.5,2669.5 D6.K@3158.14,2669.5 ; U24.1@2977.24,2481.13 C88.1@2977.24,2570.03
NetC88_2: C88.2 R61.2 U24.2 | length 309.1
  Top Layer w20: R61.2@2898.53,2662.95 C88.2@2898.53,2571.74 2893,2566.21 2893,2447 2908.87,2431.13 U24.2@2977.24,2431.13
NetC89_1: C89.1 R59.1 R65.2 U25.6 | length 839.8
  Top Layer w20: C89.1@1393.51,2571.74 1404,2561.25 1404,2453 1473.13,2383.87 U25.6@1534.24,2383.87 1601.87,2383.87 1678,2460 R59.1@1678,2691.5 R65.2@1829,2691.5
NetC89_2: C89.2 R58.1 R59.2 R62.2 U25.2 | length 1766.8
  Top Layer w23.62: R58.1@949,2461.5 R58.1@949,2691.5 R62.2@1128,2691.5 1128,2568 ; C89.2@1316.51,2571.74 1131.74,2571.74 1128,2568 ; R59.2@1678,2141.5 1613.5,2141.5 1433,2322 1433,2365 1364.13,2433.87 U25.2@1314.24,2433.87 1155.63,2433.87 R62.2@1128,2461.5 1128,2568
  Top Layer w30: R59.2@1678,2141.5 R59.2@1678,2371.5
NetC90_1: C90.1 J9.1 R60.1 R63.2 R67.1 U26.6 | length 1753.7
  Top Layer w20: C90.1@2596,2571.74 2614,2553.74 2614,2327 2705.52,2235.48 R63.2@2892,2235.48 ; 2615.87,2383.87 U26.6@2742.24,2383.87 ; 2892.05,2059.05 R67.1@2892.05,2138.52 R63.2@2892.05,2235.42
  Top Layer w23.62: R60.1@2358,2141.5 2441.5,2058 3067,2058 3154.5,2145.5 J9.1@3170,2145.5
NetC90_2: C90.2 D6.A D7.K R65.1 RP3.1 RP3.2 U26.2 | length 2548.3
  Top Layer w20: R65.1@1829,2141.5 1829,2340.32 RP3.2@2033,2544.32 RP3.2@2060.42,2571.74 ; RP3.1@2083,2686.06 2083,2594.32 RP3.2@2060.42,2571.74 ; 2442,2573.74 2442,2752 2481,2791 2971,2791 3018,2744 ; C90.2@2519,2571.74 2361,2571.74 ; U26.2@2522.24,2433.87 2424.13,2433.87 2361,2497 2361,2571.74 ; 3033,2744 3217.5,2744 D6.A@3292,2669.5 D7.K@3292,2571.38 ; RP3.2@2060.42,2571.74 2361,2571.74
NetC93_2: C93.2 H6.1 R64.1 R66.2 TVS17.1 | length 1033.7
  Top Layer w30: R64.1@632,2461.5 632,2612
  Top Layer w40: H6.1@131,2448 C93.2@325,2448 ; TVS17.1@327.5,2538 558,2538 632,2612 R64.1@632,2691.5 R66.2@796,2691.5 ; C93.2@328,2427 TVS17.1@328,2537.5
NetC94_2: C94.2 R66.1 U25.3 | length 876
  Top Layer w23.62: 1165,2246 1165,2277 1215,2327 1215,2360 1234.87,2379.87 U25.3@1310.24,2379.87
  Top Layer w31.5: R66.1@796,2141.5 796,2193 849,2246 1165,2246 1272,2139 C94.2@1316,2139
NetC97_2: C97.2 RP4.2 U26.3 | length 887.8
  Top Layer w20: RP4.2@2033,2283.68 2033,2323 2093.87,2383.87 2349,2383.87 ; C97.2@2519,2139 2487,2139 2349,2277 2349,2383.87 ; U26.3@2522.24,2383.87 2349,2383.87
NetC98_1: C98.1 D7.A U24.7 | length 432.6
  Top Layer w20: D7.A@3158,2571.24 3124.24,2571.24 3080,2527 3080,2450 3098.87,2431.13 U24.7@3197.24,2431.13 3266.6,2431.13 C98.1@3312.47,2477
NetC98_2: C98.2 R68.1 U24.6 | length 280.1
  Top Layer w20: U24.6@3197.24,2381.13 3326.13,2381.13 3389.47,2444.47 C98.2@3389.47,2477 ; R68.1@3306,2342 3306,2371.13
NetC99_1: C99.1 D8.K U27.1 | length 305
  Top Layer w20: C99.1@2975.53,1798 3018,1798 3114.5,1894.5 D8.K@3158.14,1894.5 ; U27.1@2977.24,1713.87 C99.1@2977.24,1796.29
NetC99_2: C99.2 R73.2 U27.2 | length 308.4
  Top Layer w20: R73.2@2898.53,1887.95 2898.53,1798 2885,1784.47 2885,1687 2908.13,1663.87 U27.2@2977.24,1663.87
NetC100_1: C100.1 R71.1 R77.2 U28.6 | length 833.3
  Top Layer w20: C100.1@1392,1798 1402,1788 1402,1688 1476.13,1613.87 1606.87,1613.87 1678,1685 1678,1917 R77.2@1829,1917
NetC100_2: C100.2 R70.1 R71.2 R74.2 U28.2 | length 1763.9
  Top Layer w23.62: R74.2@1128,1917 1128,1684 1148.13,1663.87 1357.13,1663.87 1451,1570 1451,1528 1612,1367 R71.2@1678,1367 ; 1129,1798 C100.2@1315,1798 ; R71.2@1685,1376 R71.2@1685,1606
  Top Layer w30: R70.1@950,1680 R70.1@950,1910
  Top Layer w39.37: R70.1@949,1917 R74.2@1128,1917
NetC101_1: C101.1 J11.1 R72.1 R75.2 R79.1 U29.6 | length 1775.7
  Top Layer w20: R72.1@2358,1367 2453,1272 3026,1272 3143,1389 J11.1@3169,1389 ; C101.1@2596,1798 2609,1785 2609,1573 2710.14,1471.86 2892,1471.86 R79.1@2892,1377.58 ; 2615,1613.87 U29.6@2742.24,1613.87 ; 2892.05,1277.44 R79.1@2892.05,1377.52
NetC101_2: C101.2 D8.A D9.K R77.1 RP5.1 RP5.2 U29.2 | length 2556
  Top Layer w20: R77.1@1829,1367 R77.1@1829,1372 1829,1572.32 RP5.2@2054.68,1798 ; RP5.1@2083,1918.06 2083,1826.32 RP5.2@2054.68,1798 ; 2358,1797 2358,1717 2411.13,1663.87 U29.2@2522.24,1663.87 ; 2444,1801 2444,1946 2514,2016 3033,2016 3094,1955 3231.5,1955 3292,1894.5 D9.K@3292,1797.64 ; C101.2@2519,1798 RP5.2@2054.68,1798
NetC105_2: C105.2 H7.1 R76.1 R78.2 TVS18.1 | length 1031.9
  Top Layer w30: R76.1@633,1690 633,1849
  Top Layer w40: H7.1@131,1671 C105.2@307,1671 ; TVS18.1@327.5,1785 567,1785 632,1850 632,1917 R78.2@796,1917 ; C105.2@328,1650 TVS18.1@328,1784.5
NetC106_2: C106.2 R78.1 U28.3 | length 845.5
  Top Layer w20: R78.1@796,1367 906,1477 1132,1477 ; U28.3@1314.24,1613.87 1268.87,1613.87 1132,1477 ; C106.2@1316,1378 1276,1378 1177,1477 1132,1477
NetC109_2: C109.2 RP6.2 U29.3 | length 885.2
  Top Layer w20: RP6.2@2033,1504.68 2033,1556 2090.87,1613.87 U29.3@2522.24,1613.87 ; 2355.32,1609.19 2355.32,1504.68 2482,1378 C109.2@2519,1378
NetC110_1: C110.1 D9.A U27.7 | length 425
  Top Layer w20: D9.A@3158,1797.5 3117.5,1797.5 3079,1759 3079,1689 3104.13,1663.87 3273.34,1663.87 C110.1@3312.47,1703
NetC110_2: C110.2 R80.1 U27.6 | length 285.1
  Top Layer w20: U27.6@3197.24,1613.87 3327.87,1613.87 3389.47,1675.47 C110.2@3389.47,1703 ; R80.1@3306,1572 3306,1611.87
NetC111_1: C111.1 R86.1 U30.6 | length 1302.4
  Top Layer w20: C111.1@3530,3443 3530,3481 3580,3531 3786,3531 4064.87,3252.13 ; U30.6@3854.24,3252.13 4064.87,3252.13 ; R86.1@4141,2931 R86.1@4126,2916 4126,3191 4064.87,3252.13
NetC111_2: C111.2 R85.2 U30.2 U31.3 | length 1964.2
  Top Layer w20: R85.2@3530,3249.76 3530,3366 C111.2@3529,3366 3502,3366 3460,3408 3460,3490 3543,3573 3805,3573 4303,3075 4626,3075 4707.04,3156.04 U31.3@4762.94,3156.04 ; 3532.87,3302.13 U30.2@3634.24,3302.13
NetC113_1: C113.1 R82.1 U31.6 U32.2 | length 721.3
  Top Layer w31.5: U31.6@5142.94,3158.04 5247,3158.04 ; R82.1@5247,2918 5247,3118.87 ; U32.2@5396.24,3118.87 5247,3118.87 ; C113.1@5398.51,3260.74 5291.74,3260.74 5247,3216 5247,3158.04 ; 5247,3118.87 5247,3158.04
NetC113_2: C113.2 R87.1 U32.6 W1.2 W1.3 | length 864.5
  Top Layer w20: W1.3@5387.73,3404 5491,3404 ; W1.2@5529.47,3454 5529.47,3442.47 5491,3404 ; R87.1@5768,2918 5768,3010 5709.13,3068.87 U32.6@5616.24,3068.87 5549.13,3068.87 5490,3128 5490,3403 5491,3404
NetC115_1: C115.1 J7.2 J13.1 P5.1 R85.1 | length 711.2
  Top Layer w20: C115.1@3270.1,2837.1 3270.2,2837 P5.1@3384,2837 ; J13.1@3384,2936 J13.1@3387,2939 3387,2984 3528.98,3125.98 R85.1@3528.98,3158.74
  Top Layer w39.37: C115.1@3270,2837 3270,2938.4 J7.2@3270.1,2938.5 ; C115.1@3270.1,2837.1 3383.9,2837.1 P5.1@3384,2837 J13.1@3384,2936
Netc117_1: C117.1 C118.1 DW1.K J12.2 P8.1 R87.2 | length 2731.9
  Top Layer w30: C117.1@5895,3468 5955,3468 6006,3417 6006,2808 6088,2726 6088,2103 6151,2040 6151,1647 6197,1601 P8.1@6418,1601 J12.2@6559.9,1601 ; DW1.K@5896,2921.94 6005.06,2921.94
  Top Layer w39.37: C118.1@5660.27,3466 C117.1@5893,3466
NetC120_1: C120.1 R93.1 U33.6 | length 1219.6
  Top Layer w20: C120.1@3529,2662 3529,2694 3562,2727 3786,2727 4044.87,2468.13 ; U33.6@3854.24,2468.13 4044.87,2468.13 ; R93.1@4126,2141.5 4126,2387 4044.87,2468.13
NetC120_2: C120.2 R92.2 U33.2 U34.3 | length 1908.8
  Top Layer w20: R92.2@3528.98,2470 C120.2@3529,2585 3496,2585 3462,2619 3462,2699 3533,2770 3800,2770 4250,2320 4646,2320 4732.04,2406.04 U34.3@4742.94,2406.04 ; 3533.87,2518.13 U33.2@3634.24,2518.13
NetC122_1: C122.1 R89.1 U34.6 U35.2 | length 715.2
  Top Layer w31.5: U34.6@5142.94,2406.04 5243.04,2406.04 ; R89.1@5247,2141.5 5247,2445 5277.74,2475.74 C122.1@5398.51,2475.74 ; 5248.87,2338.87 U35.2@5396.24,2338.87
NetC122_2: C122.2 R94.1 U35.6 W3.2 W3.3 | length 853.1
  Top Layer w20: W3.3@5387.73,2618 5479.47,2618 ; W3.2@5529.47,2668 5489,2627.53 5489,2355 5555.13,2288.87 U35.6@5616.24,2288.87 5730.13,2288.87 5768,2251 R94.1@5768,2141.5
NetC124_1: C124.1 J9.2 J15.1 P6.1 R92.1 | length 606.2
  Top Layer w23.62: J15.1@3387,2145.5 3387,2198 3528.98,2339.98 R92.1@3528.98,2380
  Top Layer w39.37: J9.2@3270.1,2145.5 3270.1,2045.9 3272,2044 P6.1@3377,2044 3387,2054 J15.1@3387,2145.5
NetC126_1: C126.1 C127.1 DW2.K J14.2 P9.1 R94.2 | length 2135.6
  Top Layer w39.37: C126.1@5667.27,2692 C127.1@5896,2692 5955,2692 6013,2634 6013,2014 6079,1948 6079,1529 6163.5,1444.5 P9.1@6418,1444.5 J14.2@6559.9,1444.5 ; DW2.K@5895,2145.44 6012.56,2145.44
NetC129_1: C129.1 R100.1 U36.6 | length 1227
  Top Layer w20: C129.1@3529,1888 3529,1914 3570,1955 3792,1955 4048.87,1698.13 ; U36.6@3854.24,1698.13 4048.87,1698.13 ; R100.1@4126,1367 4126,1621 4048.87,1698.13
NetC129_2: C129.2 R99.2 U36.2 U37.3 | length 1900.1
  Top Layer w20: R99.2@3528.98,1693 3528.98,1810.98 3501,1811 3461,1851 3461,1920 3535,1994 3813,1994 4251,1556 4632,1556 4703.04,1627.04 U37.3@4742.94,1627.04 ; 3529.11,1748.13 U36.2@3634.24,1748.13
NetC131_1: C131.1 R96.1 U37.6 U38.2 | length 723
  Top Layer w31.5: U37.6@5142.94,1627.04 5246.04,1627.04 ; R96.1@5247,1367 5247,1658 5317.74,1728.74 C131.1@5398.51,1728.74 ; 5248.13,1588.13 U38.2@5396.24,1588.13
NetC131_2: C131.2 R101.1 U38.6 W5.2 W5.3 | length 869.4
  Top Layer w20: W5.3@5387.73,1842 5491,1842 ; W5.2@5529.47,1892 5529.47,1880.47 5491,1842 ; R101.1@5768,1367 5768,1510 5739.87,1538.13 U38.6@5616.24,1538.13 5556.87,1538.13 5487,1608 5487,1838 5491,1842
NetC133_1: C133.1 J11.2 J17.1 P7.1 R99.1 | length 591.7
  Top Layer w20: J17.1@3386,1389 3386,1435 3528.98,1577.98 R99.1@3528.98,1603
  Top Layer w39.37: J11.2@3269.1,1389 3269.1,1287.1 P7.1@3376,1287.1 3381.9,1287.1 3382,1287 3382,1385 J17.1@3386,1389
Netc135_1: C135.1 C136.1 DW3.K J16.2 P10.1 R101.2 | length 1569.6
  Top Layer w30: DW3.K@5895,1370.94 6008.94,1370.94 6062.5,1424.5 ; C136.1@5895,1917 5948,1917 6006,1859 6006,1481 6062.5,1424.5 ; J16.2@6559.9,1288 P10.1@6418,1288 6199,1288 6062.5,1424.5
  Top Layer w39.37: C135.1@5662,1917 R101.2@5768,1917 C136.1@5895,1917